# KiCad board pcb.kicad_pcb (continued)
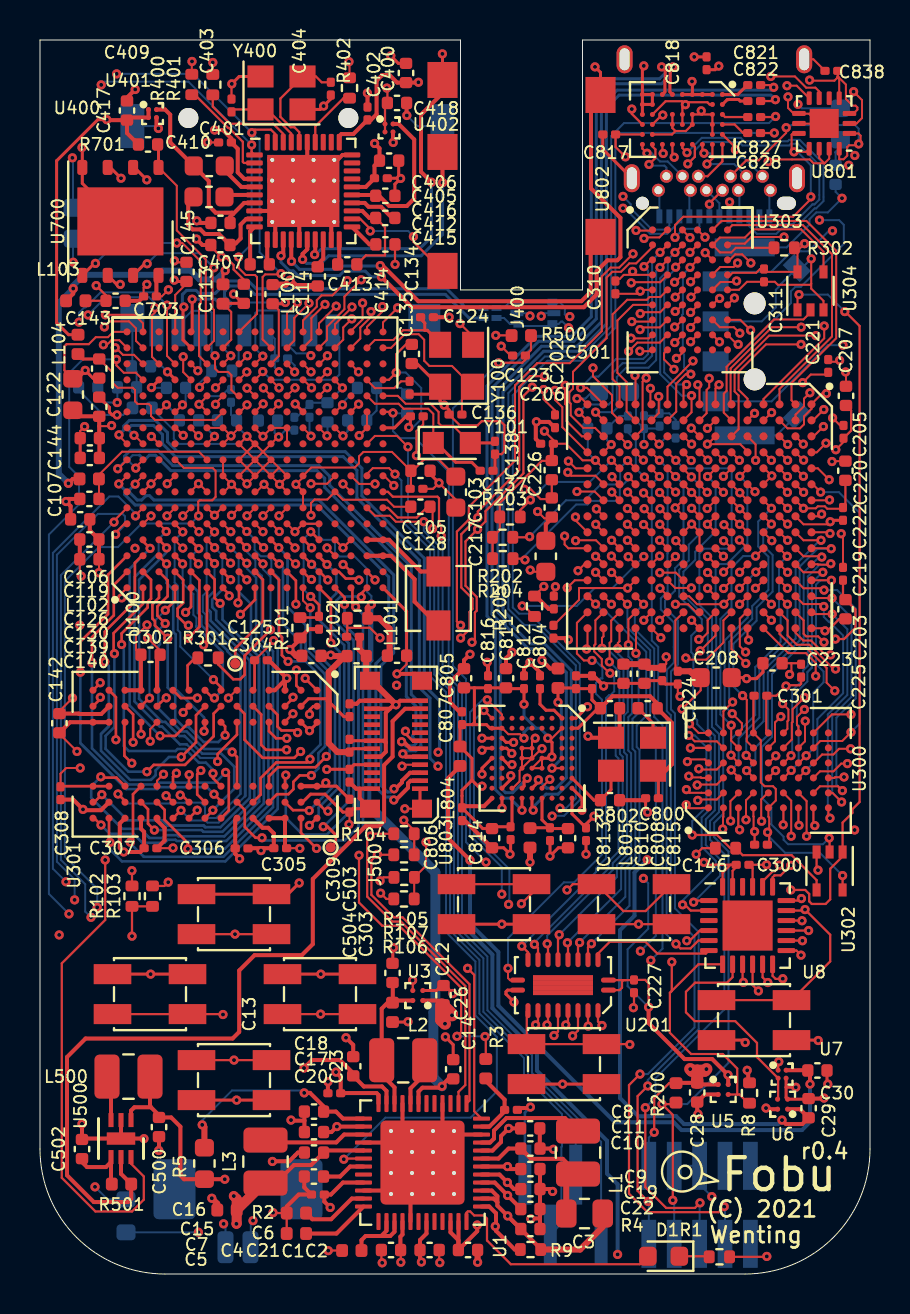
[diagram p0: board, top side]
## Routing (per net, layer and track width the routed paths; a pad name or vN(x,y) marks a point on that pad's centre or on a via; arc(x,y) is an arc through that point) (continued)
+1V0A: length 8.9
  Top w0.1: U100.N11 v1(14.35,41.92) ; U100.F10 v1(8.72,41.9)
  In2.Cu w0.1: v1(14.35,41.92) 14.35,41.93 13.98,42.3 9.12,42.3 v1(8.72,41.9)
  Bottom w0.1: v1(14.35,41.92) 14.38,41.95 C116.1 ; C127.1 8.72,41.91 v1(8.72,41.9)
+1V2_DP: length 35.3
  Top w0.2: v1(38.5,9.5) 38.5,10.07 C30.2 38.38,10.19 U7.A2 ; v1(21.5,20.7) 20.4,21.8 20.4,24.8 21,25.4 L804.1
  Bottom w0.2: v1(21.5,20.7) 21.5,17.52 22.92,16.1 22.92,13.42 28.75,7.59 31.69,7.59 32.08,7.2 38.1,7.2 38.5,7.6 v1(38.5,9.5)
+1V8: length 92.3
  Top w0.1: v1(13.55,37.95) 13.55,38.56 13.73,38.74 14.36,38.74 U100.P7 15.14,38.73 17.35,38.73 17.7,38.38 C128.1 ; C142.1 0.97,28.15 v1(1.63,28.81) ; v1(2.01,25.31) 1.31,25.31 1.03,25.03 C308.1 ; v1(11.68,31.68) 11.68,31.65 C304.1 ; U100.F6 v1(8.72,37.95) 9.1,38.33 U100.G6 ; U100.E7 7.55,39.15 v1(7.92,39.53) 7.95,39.53 U100.F7 ; v1(2.94,35.08) 2.95,35.09 C140.1 ; 6,30.97 6,31.19 5.38,31.81 v1(5.38,31.82) ; U100.H6 v1(9.58,37.95) ; U100.J6 v1(10.35,37.92)
  Top w0.102: v1(12.99,21.29) 12.98,21.3 C305.1 ; 14.21,24.4 14.29,24.48 v1(14.29,24.57) ; U301.L7 5.85,24.67 v1(6.18,25)
  Top w0.11: U8.21 35.63,20.29 C146.1 v1(36.33,20.47) ; v1(36.94,10.62) 36.91,10.58 U7.A1 ; v1(30.43,13.35) 30.43,14.54 30.26,14.71 C227.1 29.69,14.7 29.27,14.7 ; 29.27,14.7 29.17,14.7 29.1,14.63 29.1,14.32 28.98,14.2 U201.1 ; 29.27,14.7 U201.20 ; R103.1 R102.1 v1(4.6,16.9)
  Top w0.13: U301.P7 U301.R7 1.06,24.4 C308.1 ; C304.1 10.73,29.28 U301.E1
  Top w0.15: 16.6,26.28 15.64,26.28 C503.1 ; U301.A7 14.82,24.4 C303.1 ; v1(6.38,45.12) 6.75,44.75 U100.D14 ; U100.M12 13.15,43.13 v1(12.76,43.52) ; C309.1 15.19,27.88 14.3,28.78 13.42,28.78 U301.B2
  Top w0.2: v1(36.3,8.3) 36.35,8.25 U6.A2 ; 11.19,4.55 L3.2 11.79,4.55 12.69,5.45 13.56,5.45 C15.2 14.28,6.18 16.17,6.18 U1.17 ; U5.A2 34.41,9.95 v1(34.4,9.96) 33.61,10.75 32.23,10.75 30.43,12.55 v1(30.43,13.35) ; 6,30.97 5.85,30.82 U301.L1 ; U301.P2 3.06,28.01 1.96,28.01 1.94,28.03 C142.1 ; C140.1 C139.1 2.49,37.2 C130.1 ; C305.1 12.25,21.38 U301.C9 U301.D9 ; U301.F9 9.76,22.71 C306.1 9.76,21.02 9.98,20.8 v1(9.98,20.77) ; U301.M9 5.05,22.27 5.2,22.11 5.2,21.3 5.02,21.11 v1(4.19,21.11) 3.99,21.31 3.99,22.54 U301.N9 ; U301.B7 U301.A7
  Top w0.3: C125.1 14.5,30.92 v1(14.53,30.96) 14.58,30.91 C141.1 15.24,30.91 14.44,30.11 14.44,26.54 14.88,26.11 C503.1
  Top w0.5: 11.19,4.55 C16.2 ; C16.2 9.83,2.53 v1(9.82,2.51) ; C16.2 9.83,3.75 v1(9.69,3.9)
  In2.Cu w0.3: v1(30.17,19.79) 33.65,19.79 34.33,20.47 v1(36.33,20.47)
  Bottom w0.1: C131.1 6.1,45.4 v1(6.38,45.12) ; v1(30.17,19.79) 30.41,19.55 30.41,17.27 29.38,16.24 29.38,14.4 v1(30.43,13.35)
+1V8_DP: length 52.8
  Top w0.1: R106.1 18.71,19.83 R107.1 19.3,20.42 v1(19.3,21.6)
  Top w0.2: v1(25.1,30.7) 25.52,30.28 L803.1 ; U6.A1 38,8.25 C29.2 38.12,7.5 37.3,7.5 v1(37.1,7.7)
  Top w0.3: L805.1 v1(24.5,20.6)
  In2.Cu w0.1: v1(19.3,21.6) 19.4,21.7 25.6,21.7
  In2.Cu w0.3: v1(25.1,30.7) 25.1,28.1 29.3,23.9 29.3,21.5 ; 29.3,21.5 30.08,20.72 v1(30.36,20.72) ; 29.3,21.5 29.1,21.7 25.6,21.7 v1(24.5,20.6)
  Bottom w0.2: v1(37.1,7.7) 36.9,7.5 32.2,7.5 31.8,7.9 30.45,7.9 30.44,7.89 29.91,7.89 29,8.8 29,17.2 29.72,17.92 29.72,20.08 v1(30.36,20.72)
+1V8_FPGA: length 61.2
  Top w0.1: v1(30.21,38.28) 30.21,38.27 U200.L8 ; 32.18,33.1 31.77,32.69 31.77,30.27 C224.2 ; v1(30.96,41.51) 30.96,41.52 U200.L3 ; v1(37.48,29.99) 37.5,30.01 37.53,30.01 37.57,30.05 37.57,30.55 ; v1(35.75,39.13) 35.38,39.5 U200.E6 ; C218.2 26.95,33.72 26.95,34.31 v1(29.38,34.31) 29.38,34.31 U200.M12 ; 28.18,40.3 27.78,40.7 v1(27.77,40.7) 27.13,40.7 26.3,41.53 C206.2 ; v1(37.38,35.1) 37.38,35.1 U200.C11 ; U200.F12 34.57,34.69 v1(34.18,34.29) ; v1(33.37,42.3) 33.77,42.7 U200.G2 ; v1(30.22,39.86) 30.57,39.5 U200.L6 ; v1(37.39,41.5) 37.38,41.5 U200.C3 ; v1(34.2,37.48) 34.57,37.11 U200.F9 ; C205.2 40.18,41.61 v1(39.79,41.23) ; 28.18,37.1 27.79,37.48 v1(27.79,37.5) ; U200.B7 38.17,38.31 v1(38.17,38.3) 38.79,38.3 38.89,38.4 39.24,38.4 39.36,38.28 40.09,38.28 C222.2 ; 39.41,44.99 38.54,44.99 v1(38.13,44.59)
  Top w0.102: v1(32.1,28.26) 33.03,29.19 C208.2 ; C206.2 25.67,41.71 v1(25.22,42.16) ; C202.2 25.75,43.19 25.18,43.76 v1(25.18,44.24)
  Top w0.11: C222.2 40.27,38.46 C220.2 ; C225.2 38,30.55 C223.2 ; 25.59,40.67 25.09,40.67 22.99,38.57 R203.1 22.99,37.22 R202.1 22.63,36.84 R204.1 ; 32.94,10.25 32.86,10.17 ; 32.94,10.25 v1(32.51,10.25) ; 32.94,10.25 v1(33.32,10.25) ; C205.2 40.56,42.19 40.56,43.19 C207.2 ; 40.15,34.7 40.15,33.86 C203.2 40.77,33.24 40.77,32.33 40.2,31.76 v1(39.77,31.76) ; v1(30.71,7.09) 30.71,8.8 31.46,9.55 R200.1
  Top w0.2: R200.1 31.81,9.56 C28.2 32.94,9.48 U5.A1 ; 25.59,40.67 25.59,41.45 C206.2
  Top w0.3: C224.2 32.5,30.15 32.82,29.83 C208.2
  Top w0.6: 32.86,10.17 C28.2 ; 32.86,10.17 32.59,10.17 v1(32.51,10.25) ; 32.86,10.17 33.24,10.17 v1(33.32,10.25)
  In2.Cu w0.1: v1(34.2,37.48) 34.2,38.26 34.63,38.69 35.31,38.69 v1(35.75,39.13)
  Bottom w0.1: v1(30.22,39.86) 29.79,40.29 29.79,41.71 29.39,42.11 C201.2 ; v1(30.96,41.51) 31.26,41.81 C200.2 ; C204.2 27.39,41.08 v1(27.77,40.7) ; J200.1 30.44,6.82 v1(30.71,7.09)
+1V8A: length 63.7
  Top w0.1: U100.M6 U100.M7 13.15,39.15 v1(12.8,39.5) 13.15,39.85 U100.M8 13.56,40.34 15.74,40.34 15.95,40.55 15.95,40.9 16.17,41.12 17.6,41.12 C104.1
  Top w0.11: 18.5,39.28 18.55,39.31 C104.1 18.63,40.17 19.21,40.75 19.92,40.75 C103.1
  Top w0.15: v1(9.26,50.19) 9.15,50.08 L100.1
  Top w0.2: U400.4 10.22,54.77 9.89,55.1 9.89,56.28 C401.1 9.57,56.8 9.15,57.22 v1(8.73,57.22) ; U400.31 14.96,56.91 15.07,57.02 15.67,57.02 C402.1 16.55,57.73 16.83,58.01 16.83,59.69 17.11,59.97 17.48,59.97 17.86,59.59 C400.1 18.91,59.59 v1(18.92,59.61) ; v1(1.66,49.29) 1.66,49.03 L103.2 ; L102.2 1.64,39.77 v1(1.42,39.55)
  In2.Cu w0.5: 9.02,57.22 10.52,55.72 10.52,50.62 10.08,50.19 v1(9.26,50.19) ; 9.02,57.22 11.6,59.8 16.26,59.8 16.62,60.16 18.37,60.16 v1(18.92,59.61) ; 9.02,57.22 v1(8.73,57.22)
  Bottom w0.3: v1(1.42,39.55) 0.94,40.03 0.94,48.57 v1(1.66,49.29) 1.66,49.44 2.2,49.98 5.9,49.98 6.11,50.19 7.53,50.19 7.97,49.75 8.82,49.75 v1(9.26,50.19)
+3.3VA: length 8.9
  Top w0.2: U400.26 16.29,54.38 16.72,54.81 16.72,55.44 C406.1 16.97,56.3 v1(16.73,56.55) ; U1.11 17.33,9.16 17.1,9.38 16.19,9.38 C23.2 15.66,10.04 15,10.7 13.6,10.7 v1(13.2,10.3)
+3V3: length 64
  Top w0.1: 39.93,59.86 39.89,59.9 C838.1 39.89,59.86 39.72,59.69 38.51,59.69 v1(38.48,59.72) ; 39.93,59.86 40.29,59.49 40.29,58.77 40.63,58.44 40.78,58.44 40.87,58.35 40.87,58.24 40.67,58.04 ; 39.93,59.86 39.86,59.86 39.96,59.76 U801.4 ; U100.D12 6.78,43.12 v1(7.12,43.47) ; 39.22,55.56 38.68,55.56 38.49,55.75 36.52,55.75 v1(36.41,55.64) ; 39.22,55.56 39.22,55.55 39.46,55.79 U801.13 ; 39.22,55.56 38.96,55.82 U801.12 ; U100.G13 8.78,43.55 v1(8.78,43.5) ; U100.J13 10.73,43.92 v1(10.35,44.31) ; U100.R12 15.55,43.13 v1(15.93,43.51) ; C703.2 6.09,48.9 v1(6.42,49.23)
  Top w0.102: v1(18.19,22.7) 18.71,22.18 R104.1
  Top w0.11: v1(32.27,58.49) 32.1,58.66 31.28,58.66 U802.H3 ; v1(32.27,58.49) 32.12,58.34 U802.E3 U802.E4 ; v1(32.27,58.49) 32.39,58.61 33.37,58.61 33.48,58.5 U802.B2 ; v1(17.34,59.32) 17.37,59.29 C418.1 17.25,58.45 U402.B1 ; R105.1 R104.1 ; U802.J5 C817.1 28.78,56.37 v1(29.27,55.88)
  Top w0.15: C818.1 33.76,60.24 v1(33.94,60.42) ; L104.2 1.42,46.98 0.83,47.58 0.83,55.68 2.89,57.74 v1(3.34,57.74) ; J500.b4 15.7,25.47 C504.1 14.34,25.25 v1(14.34,25.24)
  Top w0.2: C703.2 5.82,49.84 U700.8 ; C417.1 3.36,57.72 v1(3.34,57.74) ; C417.1 4.48,57.84 U401.B1 5.42,58.24 ; C417.1 4.35,57.07 R701.1 ; U1.12 16.92,8.95 16.83,9.05 15.04,9.05 C20.2 15.03,9.87 v1(14.8,10.1)
  In2.Cu w0.1: v1(8.78,43.5) 9.45,43.5 10.26,44.31 v1(10.35,44.31)
  In2.Cu w0.3: v1(14.34,25.24) 14.73,25.24 16.21,26.72 16.21,28.6 17.05,29.44 17.82,29.44 v1(17.83,29.45)
  Bottom w0.1: v1(1.66,50.61) 1.65,50.62 C701.1 ; v1(11.95,45.13) 11.74,45.34 C702.1 11.74,46.78 CARD700.4 ; C129.1 2.89,43.85 3.15,43.59 v1(3.86,43.59) 3.87,43.6 C132.1 ; v1(7.12,43.47) 7.28,43.63 C109.1
/mcu/VDD_SOC: length 29.1
  Top w0.1: U100.J9 U100.K10 11.89,41.87 v1(11.93,41.87) ; U100.J9 U100.H8 v1(10.35,39.53) U100.J8 ; U100.J9 U100.K8 ; U100.J9 U100.H10 9.97,41.53 v1(10.35,41.9) 10.72,41.53 U100.J10 ; U100.J8 U100.K9 ; U100.J8 U100.H9 U100.J10 ; U100.L7 v1(11.97,39.5) ; v1(11.97,39.5) 12.35,39.88 U100.L8 11.95,40.33 ; v1(11.97,39.5) U100.K8 ; U100.J10 U100.K9 ; U100.K9 11.95,40.33 ; 11.95,40.33 11.55,39.93 U100.K8 ; 2.96,42.41 3.55,42.41 v1(3.58,42.44)
  Top w0.2: C122.1 1.94,42.9 C107.1 2.96,41.82 C106.1 C119.1
  Bottom w0.1: 11.73,42.7 11.73,42.07 v1(11.93,41.87) 12.25,42.19 12.68,42.19 ; C117.1 9.55,42.98 C121.1 9.83,42.42 v1(10.35,41.9) 9.97,41.52 6.95,41.52 6.69,41.78 6.69,42.2 5.59,43.3 C120.1
/power/VINT: length 3.7
  Top w0.2: 17.06,1.9 16.28,1.9 16.08,1.69 C4.1 ; 17.06,1.9 17.33,2.17 U1.26 ; 17.06,1.9 17.51,1.9 17.72,2.11 U1.27
GND: length 490.6
  Top w0.1: C302.2 4.8,31.22 4.8,31.92 v1(5.35,32.47) ; U200.A15 39.12,32.3 v1(39.25,32.17) ; C301.2 36.31,28.89 36.31,27.18 U300.E6 ; U100.L10 U100.L11 U100.K11 11.55,42.3 v1(11.15,41.9) 10.75,42.3 U100.J11 ; v1(39.63,42.82) 40,42.44 C205.1 ; U100.L6 v1(11.95,37.92) ; U100.C8 v1(5.55,39.53) U100.B7 ; U200.L9 30.19,37.49 v1(30.18,37.49) ; U200.G9 33.77,37.1 v1(33.37,37.5) 33.77,37.9 U200.G8 ; U100.C12 5.97,43.12 v1(6.33,43.47) ; U200.E7 35.37,38.7 v1(34.99,39.08) 34.57,39.5 U200.F6 ; U100.L3 12.75,35.52 v1(12.78,35.52) ; U803.E5 U803.E4 ; U803.E5 25.08,26.28 v1(25.1,26.28) ; U803.E5 U803.F6 ; U803.E5 U803.F5 ; U803.E4 U803.F4 U803.F5 ; U803.E4 24.6,26.64 v1(24.76,26.8) ; U100.F13 8.35,43.9 v1(7.95,43.5) 7.97,43.5 U100.F12 ; v1(29.63,50.15) 29.81,49.97 29.91,49.97 ; v1(9.42,28.81) 9.81,29.2 U301.F1 ; v1(32.58,37.51) 32.97,37.11 U200.H9 U200.H10 ; U100.K6 v1(11.15,37.92) ; v1(36.57,32.7) 36.57,32.7 36.18,33.1 ; 29.91,49.97 29.19,49.97 28.98,49.77 28.82,49.77 ; 29.91,49.97 U303.D1 ; U200.R1 27.08,43.79 v1(26.85,43.79) ; C136.2 19.16,42.5 18.82,42.16 18.82,40.94 v1(18.82,40.93) ; v1(28.56,41.49) 28.18,41.11 28.18,41.1 ; U200.G7 33.77,38.7 v1(33.36,38.29) ; v1(25.49,24.74) 25.1,24.35 U803.D8 ; U200.B8 38.18,37.5 39.38,37.5 v1(39.51,37.63) ; U803.G8 23.64,24.3 23.98,24.64 23.98,25.18 U803.F6 ; 38.56,49.53 38.56,49.29 39.18,48.67 U304.3 ; 38.56,49.53 v1(38.56,50.78) ; 38.56,49.53 38.51,49.48 36.89,49.48 36.74,49.63 C311.2 35.35,49.63 34.95,49.23 34.38,49.23 U303.E6 ; U803.F6 U803.F5 ; U100.G3 9.16,35.92 v1(9.53,35.56) ; U100.K7 11.55,39.15 v1(11.2,39.5) 10.83,39.12 U100.J7 ; U200.E9 35.38,37.11 v1(34.98,37.5) 34.58,37.9 U200.F8 ; U200.C12 37.37,34.31 v1(37.37,34.3) ; v1(32.58,38.3) 32.97,37.91 U200.H8 ; v1(34.18,36.68) 34.2,36.68 U200.F10 ; 9.55,41.92 U100.G11 U100.F11 ; 9.55,41.92 v1(9.55,41.92) 9.54,41.92 U100.G10 ; 9.55,41.92 U100.H11 ; U100.G7 9.2,39.12 v1(9.58,39.5) ; v1(31,38.28) 31.38,37.91 U200.K8 ; v1(30.18,39.07) 30.55,38.7 U200.L7 ; v1(27.33,31.26) 27.38,31.3 U200.R15 ; U200.E4 35.38,41.14 35.01,41.51 v1(33.37,41.51) 33.38,41.51 U200.G3 ; v1(1.85,26.14) 0.97,27.02 C142.2 ; U200.M11 29.78,35.52 v1(29.41,35.88) ; 39.22,60.21 38.67,60.76 J800.S1 ; C703.1 5.18,49.34 v1(5.34,49.5) ; v1(39.32,44.04) 39.1,44.04 38.57,43.52 U200.A1 38.57,43.28 38.2,42.9 38.2,42.5 38,42.3 37.38,42.3 U200.C2 ; C106.2 2.01,42.17 v1(2.23,42.39) ; U200.F13 34.19,33.52 v1(34.19,33.5) 32.86,33.5 32.46,33.9 32.18,33.9 ; v1(7.14,36.31) 6.75,36.7 U100.D4 ; U100.A17 3.67,47.12 3.4,46.86 2.79,46.86 2.44,46.51 ; 37.69,57.54 38.95,57.54 38.48,58.01 38.48,58.04 37.69,58.04 37.4,58.33 v1(37.4,58.88) ; v1(2.06,34.91) 1.99,34.98 C140.2 ; C216.1 28.31,29.55 v1(28.18,29.41) ; 28.18,33.9 28.57,33.5 v1(28.57,33.5) ; v1(39.98,45.7) 39.91,45.63 39.41,45.63 ; U200.H5 U200.H6 32.97,39.48 v1(33.36,39.1) ; U100.G9 U100.G8 v1(9.58,39.5) ; v1(5.57,41.89) 5.58,41.89 U100.C10 ; U200.L2 30.94,43.06 v1(30.94,43.89) ; U200.K10 30.98,36.69 v1(30.98,36.7) ; v1(39.6,40.64) 39.62,40.66 C220.1 ; C100.2 18.33,30.5 v1(17.85,30.02) ; v1(12.73,45.12) 12.35,45.5 U100.L15 ; v1(9.54,45.93) 9.54,45.92 U100.G15 ; v1(9.58,39.5) U100.H7 ; v1(35.73,22.13) 35.68,22.18 35.68,22.88 35.67,22.89 U300.D1 ; v1(5.51,26.65) 5.51,27.26 U301.L3 ; U100.R7 15.16,39.52 v1(15.15,39.52) ; v1(17.88,48.33) 17.15,47.6 U100.U17 ; v1(40.06,37.03) 40.15,36.94 C219.1 ; v1(27.82,38.27) 28.18,37.92 28.18,37.9 ; U100.P14 14.75,44.69 v1(15.12,44.32) ; 32.18,38.7 32.14,38.7 v1(31.76,38.32) 32.18,37.91 32.18,37.9 ; 37.34,29.45 v1(37.3,29.41) ; U100.T12 U100.T11 16.34,42.33 v1(15.96,41.94) ; 32.18,37.1 32.58,37.5 ; 36.18,40.3 36.21,40.3 v1(36.59,39.92) 36.18,39.5 36.18,39.5 ; C207.1 40.3,45.1 v1(40.28,45.12) ; U200.K6 31.76,39.11 v1(31.78,39.11) ; U100.A1 4.08,34.06 v1(4.08,33.82)
  Top w0.102: v1(24.22,39.25) 24.54,39.25 25.03,38.76 25.59,38.76 ; C224.1 31.89,29 v1(32,28.89) ; C128.2 19.63,38.25 v1(19.63,37.28) ; v1(25.19,34.39) 24.72,33.92 R205.1 ; J500.a4 18.17,25.47 v1(18.1,25.4) ; C217.1 24.59,35.12 v1(24.51,35.21) ; v1(6.65,21.31) 6.64,21.3 C307.2 ; v1(23.06,46.41) 23.53,45.94 C501.2 ; v1(21,47.54) 21.66,46.89 Y100.2 ; C303.2 15.47,22.52 v1(15.45,22.49) ; 19.1,23.28 18.25,23.28 v1(18.24,23.27) ; 11.17,21.3 v1(11.05,21.18)
  Top w0.11: C122.2 1.22,45.2 1.22,46.4 1.33,46.51 2.44,46.51 ; 33.11,58 U802.D3 U802.D4 32.29,57.17 31.77,57.17 ; 33.11,58 33.11,58.13 v1(33.06,58.18) ; 33.11,58 U802.B3 U802.B5 ; U8.23 34.63,20.17 34.81,20.35 C146.2 ; v1(36.34,0.88) 36.32,0.86 R1.2 ; C225.1 38.06,29.53 37.98,29.45 37.34,29.45 36.81,28.92 C301.2 ; C407.2 8.54,51.4 v1(9.07,50.87) 9.09,50.85 9.3,50.85 9.68,50.47 9.68,50.25 10.19,49.74 C113.2 ; v1(8.37,56.61) 8.38,56.6 C401.2 ; 25.59,39.71 25.59,38.76 ; v1(9.59,59.53) 9.58,59.52 C403.2 ; v1(17.11,0.56) 17.07,0.6 C21.1 ; U802.H5 31.6,57 31.77,57.17 ; v1(11.65,3.07) 11.67,3.05 R2.2 C6.2 ; C123.2 21,42.45 21.88,42.45 22.09,42.66 23.02,42.66 23.22,42.46 23.22,41.15 23.08,41.01 C138.1 ; U8.24 34.13,20.07 34.53,20.47 C146.2 ; C146.2 33.32,20.47 v1(33.2,20.59) 33.29,20.59 33.39,20.49 ; v1(19.99,0.57) 19.96,0.6 C1.2 ; 31.77,57.17 31.62,57.32 U802.F4 U802.F3 ; U302.3 38.83,20.27 v1(38.9,20.2) ; v1(6.72,50.68) 6.8,50.61 C145.2 ; U100.P4 v1(15.15,36.33) U100.R4 ; v1(35.17,14.59) 35.13,14.63 U8.9 ; U100.U6 17.4,38.33 17.88,37.84 18.84,37.84 19.38,38.38 C128.2 ; v1(39.25,32.17) 39.37,32.17 39.97,32.77 C203.1 ; C415.2 17.75,50.5 v1(17.75,50.5) ; SW_START1.2 v1(29.93,17.5) SW_START1.2 ; C103.2 20.79,38.73 v1(19.95,39.57) 19.66,39.28 C105.2 ; C4.2 14.42,1.17 v1(14.41,1.17) ; C227.2 29.7,13.35 v1(29.67,13.32) ; v1(38.07,18.78) 37.97,18.68 U8.18 ; C300.2 v1(35.73,22.13)
  Top w0.13: v1(18.27,27.15) 18.27,27.03 18.62,26.67 J500.a7
  Top w0.15: U802.J2 U802.H2 U802.H1 U802.J1 ; U700.9 2.11,54.55 U700.4 2.11,56.34 v1(2.1,56.35) ; SW_UP1.2 SW_UP1.2 12.4,19 v1(12.96,19.56) ; v1(20.12,61.03) 20.12,61.02 J400.S ; C800.1 30.28,23.2 v1(30.38,23.1) ; C134.2 18.84,45.54 Y100.4 ; v1(32.6,59.65) 32.62,59.63 U802.D1 ; U100.C14 5.95,44.72 v1(5.57,44.34) ; C137.1 22.75,40.28 C138.1 ; 17.64,12.61 18.39,12.61 v1(18.4,12.62) ; SW_B1.2 SW_B1.2 ; 19.5,40.17 19.5,40.02 v1(19.95,39.57) ; v1(38.91,11.68) 38.89,11.7 SW_A1.2 ; U301.A3 13.85,27.55 v1(13.47,27.17) U301.B3 ; C144.2 2.65,44.81 v1(2.26,45.2) ; C123.2 20.45,43.22 v1(20.21,43.46) 20,43.67 Y100.4 ; C223.1 36.15,30.11 35.82,29.78 v1(35.33,29.78) 35.28,29.83 C208.1 ; C406.2 17.94,54.9 v1(18.03,54.8) ; 19,24.28 19,23.38 19.1,23.28 ; C404.2 14.54,58.78 v1(14.18,58.42) 14.01,58.25 Y400.2 ; 17.64,15.54 17.64,16.29 v1(17.67,16.32) ; C222.1 39.58,37.7 v1(39.51,37.63) ; J500.b7 15.55,26.67 C503.2 ; C30.1 39.35,9.54 v1(39.39,9.5) ; Y100.4 19.64,44.01 C135.2 ; v1(18.03,54.8) 17.75,54.52 C416.2 ; v1(18.03,54.8) 18.02,54.81 C405.2 ; J800.S1 28.14,56.26 C817.2 ; v1(17.54,60.93) 17.92,60.55 C400.2 ; C818.2 v1(32.71,60.88) ; C808.2 25.92,21.32 v1(25.5,20.9) C810.2 ; U803.A1 26.8,27.8 v1(27.37,28.37) ; U3.B1 19.82,14.18 20.06,14.42 20.06,14.44 20.23,14.44 v1(20.64,14.03) ; C224.1 31.28,29.51 C212.1 30.36,29.68 C215.1 C216.1 ; SW_LEFT1.2 SW_LEFT1.2 ; C813.2 23.53,21.03 v1(23.5,21) 23.18,21.32 C814.2 ; 16.5,23.28 15.64,23.28 C303.2 15.14,23.11 14.25,24 13.53,24 13.12,23.6 U301.B8 ; SW_SELECT1.2 v1(23.09,17.5) SW_SELECT1.2 ; C107.2 3.47,43.35 3.47,43.11 3.61,42.97 v1(3.85,42.97) ; v1(37.79,9.34) 37.78,9.34 37.31,9.34 ; U802.J1 U802.J3 ; U802.J1 30.12,60.36 v1(30.19,60.43) ; v1(23.7,13.6) 23.3,14 23.3,14.12 23.38,14.2 U201.10 ; 28.03,58.98 28.03,60.1 v1(27.75,60.38) ; v1(9.59,59.53) 9.96,59.9 Y400.4 ; v1(35.26,11.58) 35.14,11.7 SW_A1.2 ; SW_DOWN1.2 v1(9.83,8.7) SW_DOWN1.2 ; U100.U1 18.33,33.14 C100.2 ; 37.31,9.34 U7.B2 ; 37.31,9.34 37.31,8.82 U6.B1 38.4,8.75 C29.1 ; v1(27.1,23.2) 27.1,23.8 U803.A8 ; U802.B1 U802.E1 ; v1(20.27,11.86) 20.66,11.47 C14.1 ; SW_RIGHT1.2 SW_RIGHT1.2 ; C119.2 C106.2 ; C815.2 v1(27.3,21)
  Top w0.2: C218.1 26.34,31.81 v1(26.42,31.73) ; C408.2 7.94,52.58 v1(7.84,52.68) ; U1.16 18.12,6.58 ; 18.12,6.58 U1.49 ; 18.12,6.58 U1.9 ; v1(2.26,45.2) 1.84,44.78 C122.2 ; U301.D1 11.74,29.2 v1(12.34,29.8) ; v1(15.3,11.82) 15.66,11.46 C23.1 ; U1.49 17.72,4.17 U1.22 ; U1.49 20.53,6.97 U1.46 ; U1.49 20.12,6.58 U1.4 ; C309.2 15.83,28.52 15.98,28.67 J500.b12 17.59,28.67 v1(17.8,28.47) ; U400.19 14.56,52.77 U400.41 ; C139.2 C140.2 ; C306.2 10.41,21.3 C305.2 11.69,22.04 11.41,22.32 11.13,22.32 U301.E9 ; C29.1 39.18,8.78 v1(39.2,8.8) ; R802.2 30.18,23.7 C800.1 ; 16.6,24.28 15.98,24.28 ; 15.98,24.28 15.98,23.79 16.5,23.28 ; 15.98,24.28 15.81,24.28 C504.2 ; U500.7 5.19,6.78 v1(5.2,6.77) ; U500.7 2.14,6.78 C502.2 v1(2.1,7.51) ; U500.7 U500.2 ; U402.B2 17.65,56.61 v1(17.66,56.6) ; v1(17.8,28.47) 17.69,28.47 17.5,28.28 ; v1(17.8,28.47) 18,28.67 J500.a12 ; 17.5,28.28 16.6,28.28 ; 17.5,28.28 17.29,28.07 17.29,26.58 ; C11.1 24.99,6.28 C10.1 25.64,6.28 v1(25.67,6.24) ; C807.2 20.98,28.12 20.5,28.6 20.5,29.6 21.18,30.28 C805.2 21.2,30.7 v1(21.5,31) ; v1(5.94,6.18) 5.95,6.19 C500.2 ; C816.2 22.4,30.56 v1(22.36,30.6) ; U301.C1 12.25,29.71 v1(12.34,29.8) ; 23.87,8.3 24.47,8.3 v1(24.52,8.35) ; C209.1 25.43,33.27 24.79,33.91 R205.1 ; C811.2 23.3,30.8 v1(23.6,31.1) ; J500.b7 17.19,26.67 17.29,26.58 ; U5.B1 33.24,8.98 C28.1 32.86,8.04 v1(32.9,8) ; U400.41 13.36,54.38 U400.35 ; U400.41 12.96,53.98 U400.15 ; U400.41 13.33,54.17 15.12,55.98 15.6,55.98 ; U400.41 12.16,53.17 U400.8 ; v1(5.92,57.3) 5.83,57.4 U401.B2 ; C812.2 24.2,30.3 v1(24.5,30.6) 25,30.1 C804.1 ; C102.2 13.44,32.25 R101.2 13,31.75 v1(12.49,31.24) ; U301.L9 5.85,22.69 6.23,22.31 6.23,21.69 C307.2 ; C15.1 12.89,6.08 12.46,5.64 11.63,5.64 v1(11.62,5.63) ; C142.2 1.5,27.6 U301.R3 U301.P3 ; U301.N1 U301.M1 5.05,29.2 C302.2 ; v1(12.34,29.8) 11.44,30.7 C304.2 ; C418.2 18.33,57.96 v1(18.34,57.95) ; C17.1 13.22,7.67 ; 13.22,7.67 12.58,7.67 v1(12.55,7.7) ; 13.22,7.67 C18.1 ; C308.2 1.66,23.73 v1(2.15,23.24) 2.19,23.2 3.05,23.2 U301.P8 ; C130.2 1.53,38.41 v1(1.3,38.64) 1.43,38.77 C126.2 ; v1(4.76,59.25) 4.35,58.84 C417.2 ; v1(14.4,9.62) 14.39,9.61 C20.1 ; 25,2.78 24.56,2.78 v1(24.54,2.76) ; 25,2.78 C3.2 ; 25,2.78 C22.1 C19.1 ; 21.1,22.82 C814.2 ; U400.13 12.16,51.04 v1(12.05,50.93) ; 17.29,26.58 17.29,26.12 17.05,25.88 J500.b5 ; C801.2 28.98,27.25 X800.2 27.47,26.83 v1(27.4,26.9) ; U400.41 11.76,52.77 U400.12 ; v1(19.57,54.61) 19.05,55.13 19.05,57.99 20.12,59.06 J400.S ; C206.1 24.79,41.77 24.79,42.6 v1(24.82,42.63) 24.83,42.62 25.45,42.62 25.74,42.33 C202.1 ; v1(35.36,10.19) 35.41,10.14 35.41,9.56 ; U400.17 13.76,51.02 v1(13.73,50.99) ; v1(17.85,30.02) 18.75,30.02 J500.MP ; 28.03,58.98 27.55,58.5 27.55,54.3 29.02,52.83 29.02,50.86 28.87,50.71 28.37,50.71 27.83,50.17 27.83,49 27.19,48.36 18.59,48.36 v1(17.07,49.88) ; C143.2 4.96,48.68 C703.1 ; C803.2 C802.2 27.68,29.92 28.18,29.42 v1(28.18,29.41) ; C407.2 8.12,51.47 v1(7.82,51.77) ; U1.29 18.53,4.97 ; v1(25.63,4.13) 25.51,4.25 C19.1 ; 13.22,4.88 13.22,4.33 C5.2 12.94,3.97 12.33,3.38 R2.2 ; C19.1 C9.1 ; C402.2 16.38,59.06 v1(16.37,59.07) ; C124.2 v1(20.46,47.86)
  Top w0.3: v1(17.8,28.47) 16.59,29.67 J500.MP 16.31,29.86 C141.2 15.97,31.25 C101.2 ; C2.2 v1(21.88,0.59) ; C16.1 8.86,3.52 v1(8.59,3.79) ; v1(12.49,31.24) 12.81,30.92 C125.2 ; C414.2 12.79,49.42 v1(12.5,49.71) 12.28,49.49 C114.2
  Bottom w0.1: v1(15.96,41.94) 16.34,42.32 C111.2 16.83,43.19 C110.2 18.05,44.32 C133.2 ; SW600.MP 37.33,51.35 38.47,52.49 38.47,52.76 38.81,53.1 39.39,53.1 v1(40.1,53.81) 39.78,54.13 C837.2 ; C201.1 28.97,42.92 C204.1 28.35,41.7 v1(28.56,41.49) ; v1(11.15,41.9) 10.77,42.28 10.77,42.7 ; C127.2 6.97,42.83 v1(6.33,43.47) ; CARD700.12 5.8,57.42 v1(5.92,57.3) ; J800.A12 36.47,54.16 J800.B1 ; v1(9.55,41.92) 8.87,42.6 C121.2 ; 27.95,44.14 27.62,44.14 27.27,43.79 v1(26.85,43.79) ; v1(38.56,50.78) 38.1,50.32 SW600.MP 36.94,49.42 36.94,49.38 36.79,49.23 36.79,48.35 36.09,47.65 SW600.C ; C117.2 9.39,44.25 9.06,43.91 8.36,43.91 v1(7.95,43.5) ; J800.A1 30.97,54.16 J800.B12 ; C108.2 12.83,42.85 13.56,43.58 C116.2 14.38,43.58 v1(15.12,44.32) ; v1(9.54,45.93) 9.12,46.35 CARD700.6 ; v1(12.73,45.12) 12.73,45.45 C702.2 ; U800.2 24.36,48.06 v1(24.5,47.92) ; v1(5.57,44.34) 5.58,44.33 C109.2 ; v1(20.46,47.86) 20.42,47.82 CARD700.11 ; C214.1 30.86,42.93 C213.1 ; 19.57,51.87 18.98,51.28 ; v1(1.62,55.83) 1.65,55.8 C701.2 ; C200.1 31.78,42.72 31.46,43.05 C213.1 ; v1(9.18,2.51) 9.28,2.42 BT1.1 ; SW600.MP 36.82,41.95 SW600.MP 33.81,41.95 v1(33.37,41.51) ; J200.3 J200.5 32.98,4.48 v1(33.59,3.87) ; CARD700.13 18.87,57.42 v1(18.34,57.95) ; C213.1 30.98,43.85 v1(30.94,43.89) ; CARD700.10 4.62,45.45 C131.2 4.83,45.14 C132.2 4.83,43.53 C120.2 4.51,43.32 4.16,42.97 v1(3.85,42.97) 3.16,42.97 1.93,44.2 C129.2 ; TH1.2 3.38,3.73 v1(2.75,4.36) ; 14.09,51.29 14.06,51.26
  Bottom w0.13: J101.4 24.25,8.08 v1(24.52,8.35)
  Bottom w0.15: v1(17.07,49.88) 16.55,49.88 16.27,50.16 15.19,50.16 14.97,49.94 12.9,49.94 12.67,50.17 12.48,50.17 12.05,50.61 v1(12.05,50.93) ; v1(13.73,50.99) 13.79,50.99 14.06,51.26 ; 14.09,51.29 18.97,51.29 ; 18.97,51.29 18.98,51.28 ; 18.97,51.29 18.99,51.29 19.57,51.87 v1(19.57,54.61)
  vias: v1(0.96,16.96) v1(1.99,32.45) v1(4.75,36.3) v1(5.53,15) v1(14.04,15) v1(26.13,9.5) v1(40.74,55.95) v1(40.73,22.21)
VBUS: length 4.2
  Top w0.2: v1(19.07,0.6) 19,0.67 C1.1 19,1.7 19.33,2.03 U1.31
  Bottom w0.1: v1(40.44,55.46) C837.1 39.78,56.09 39.76,56.11 40.02,56.37 L802.1
VBUS_IN: length 31.4
  Top w0.1: v1(40.68,59.14) 41.1,58.72 41.1,57.82 40.83,57.55 U801.2 ; C145.1 7.33,49.54 6.76,48.97 6.76,47.14 U100.D17
  Top w0.15: v1(6.71,49.71) 6.78,49.64 C145.1
  In2.Cu w0.1: v1(6.71,49.71) 9.61,49.71 10.16,49.15 16.47,49.15 16.62,49 18.4,49 18.92,48.48 24.49,48.48 v1(25.06,47.91)
  Bottom w0.1: J800.A4 32.52,52.95 ; 32.47,53 32.47,54.16 J800.B9 ; v1(37.9,58.51) 38.1,58.31 L802.2 40.68,58.97 v1(40.68,59.14) ; U800.5 25.21,48.06 v1(25.06,47.91) ; J800.A9 34.97,54.16 J800.B4
+BATT: length 31.1
  Top w0.2: v1(23.39,2.91) 22.87,3.42 22.87,3.59 ; v1(23.39,2.91) 23.79,2.5 ; v1(23.39,2.91) C3.1 25.03,1.25 R9.2 ; U1.38 22.69,3.78 22.87,3.59 ; C9.2 23.5,5.25 v1(23.38,5.38) U1.42 ; 22.87,3.59 22.87,3.89 22.58,4.17 U1.39 ; 28.14,2.36 R4.2
  Top w0.3: R9.2 27,1.22 28.14,2.36
  In2.Cu w0.2: v1(23.38,5.38) 23,5.38 22.67,5.05 22.67,3.62 v1(23.39,2.91) 23.39,2.11
  In2.Cu w0.5: 23.39,2.11 22.9,1.62 14.96,1.62 14.49,2.09 11.14,2.09 10.65,2.58 v1(10.65,2.67)
  Bottom w0.1: v1(10.65,2.67) 10.54,2.56 10.54,1.36 BT1.2
+RAM: length 24.5
  Top w0.1: 36.46,22.15 36.46,22.83 36.42,22.87 U300.E1 36.79,23.69 36.79,24.26 36.65,24.4 36.23,24.4 36.04,24.59 36.04,26.69 U300.D6 ; U303.E1 30.07,49.22 v1(30.01,49.16) 29.88,49.03 C310.1 ; U303.D6 34.52,49.97 34.63,50.08 35.81,50.08 36,50.27 C311.1 36.34,50.12 U304.5 37.88,51.18 v1(38.23,51.54)
  Top w0.11: v1(36.38,22.1) 36.43,22.15 36.46,22.15 36.46,21.57 C300.1 ; C301.1 35.67,28.89 U300.D6 ; 33.76,21.3 33.11,21.3 v1(32.81,21) ; U302.5 v1(40.13,19.93)
  Top w0.2: U1.41 22.97,4.97 v1(23.37,4.58) 23.7,4.25 C19.2
  Bottom w0.1: v1(40.13,19.93) 38.99,21.07 37.25,21.07 36.38,21.94 v1(36.38,22.1)
+RTC: length 61.7
  Top w0.11: v1(18.04,0.59) 18.04,1.19 C21.2 ; U100.U12 17.59,43.12 v1(17.65,43.07)
  Top w0.2: C21.2 18.02,1.21 18.02,1.87 18.12,1.97 U1.28
  In2.Cu w0.11: v1(18.04,0.59) 18.04,0.63 18.6,1.19 19.34,1.19 19.55,0.98 v1(28.88,0.98)
  Bottom w0.1: 21.1,17.43 21.1,29.5 20.43,30.17 20.43,36.73 20.44,36.74 20.44,40.13 18.76,41.81 18,41.81 17.65,42.16 v1(17.65,43.07) 17.67,43.05 C133.1 ; 28.35,5.02 28.37,5
  Bottom w0.2: v1(28.88,0.98) 28.88,4.49 28.37,5 ; 28.35,5.02 28.35,6.67 24.85,10.17 24.85,11.07 22.62,13.3 22.62,15.98 21.15,17.45
/fpga/FPGA_TCK: length 43.8
  Top w0.1: U200.E5 35.38,40.28 v1(34.99,39.9)
  Top w0.11: v1(31.64,3.69) 31.64,7.96 v1(31.1,8.5) 31.72,8.5 R200.2
  Bottom w0.1: J200.4 31.71,3.62 v1(31.64,3.69) ; v1(34.99,39.9) 35.37,39.52 35.37,36.54 34.34,35.51 33.92,35.51 33.78,35.37 33.78,33.1 33.81,33.07 33.81,27.5 34.16,27.15 34.16,23.02 33.71,22.57 33.71,21.85 34.43,21.13 34.43,10.57 32.36,8.5 v1(31.1,8.5)
/fpga/FPGA_TDI: length 47.3
  Top w0.1: U200.L4 30.57,41.09 v1(30.97,40.7)
  Top w0.11: v1(30,10) 29.45,9.45 29.45,4.02 30.38,3.09 33.93,3.09 v1(34.21,3.37)
  Bottom w0.1: v1(34.21,3.37) 34.25,3.33 J200.8 ; v1(30,10) 30.39,10 32.73,12.34 32.73,16.85 31.54,18.04 31.54,27.95 31.34,28.15 31.34,30.23 31.69,30.58 31.69,32.59 31.04,33.24 31.04,33.8 31.38,34.14 31.38,35.66 31.37,35.67 31.37,36.03 31.38,36.04 31.38,40.29 v1(30.97,40.7)